# Altium PCB Copy of MCISO-P01-V05(mark review).PcbDoc (part 2 of 2)
Units mm, origin at the board's own origin, x right, y up, seen from the top; angles counter-clockwise.
Board outline 79.85 x 119.25 mm, 2 copper layers (Top Layer, Bottom Layer), stack 1.57 mm thick; 122 components, 80 nets, 453 pads, 35 vias.
Unrouted connection lines stored in the file: 1.
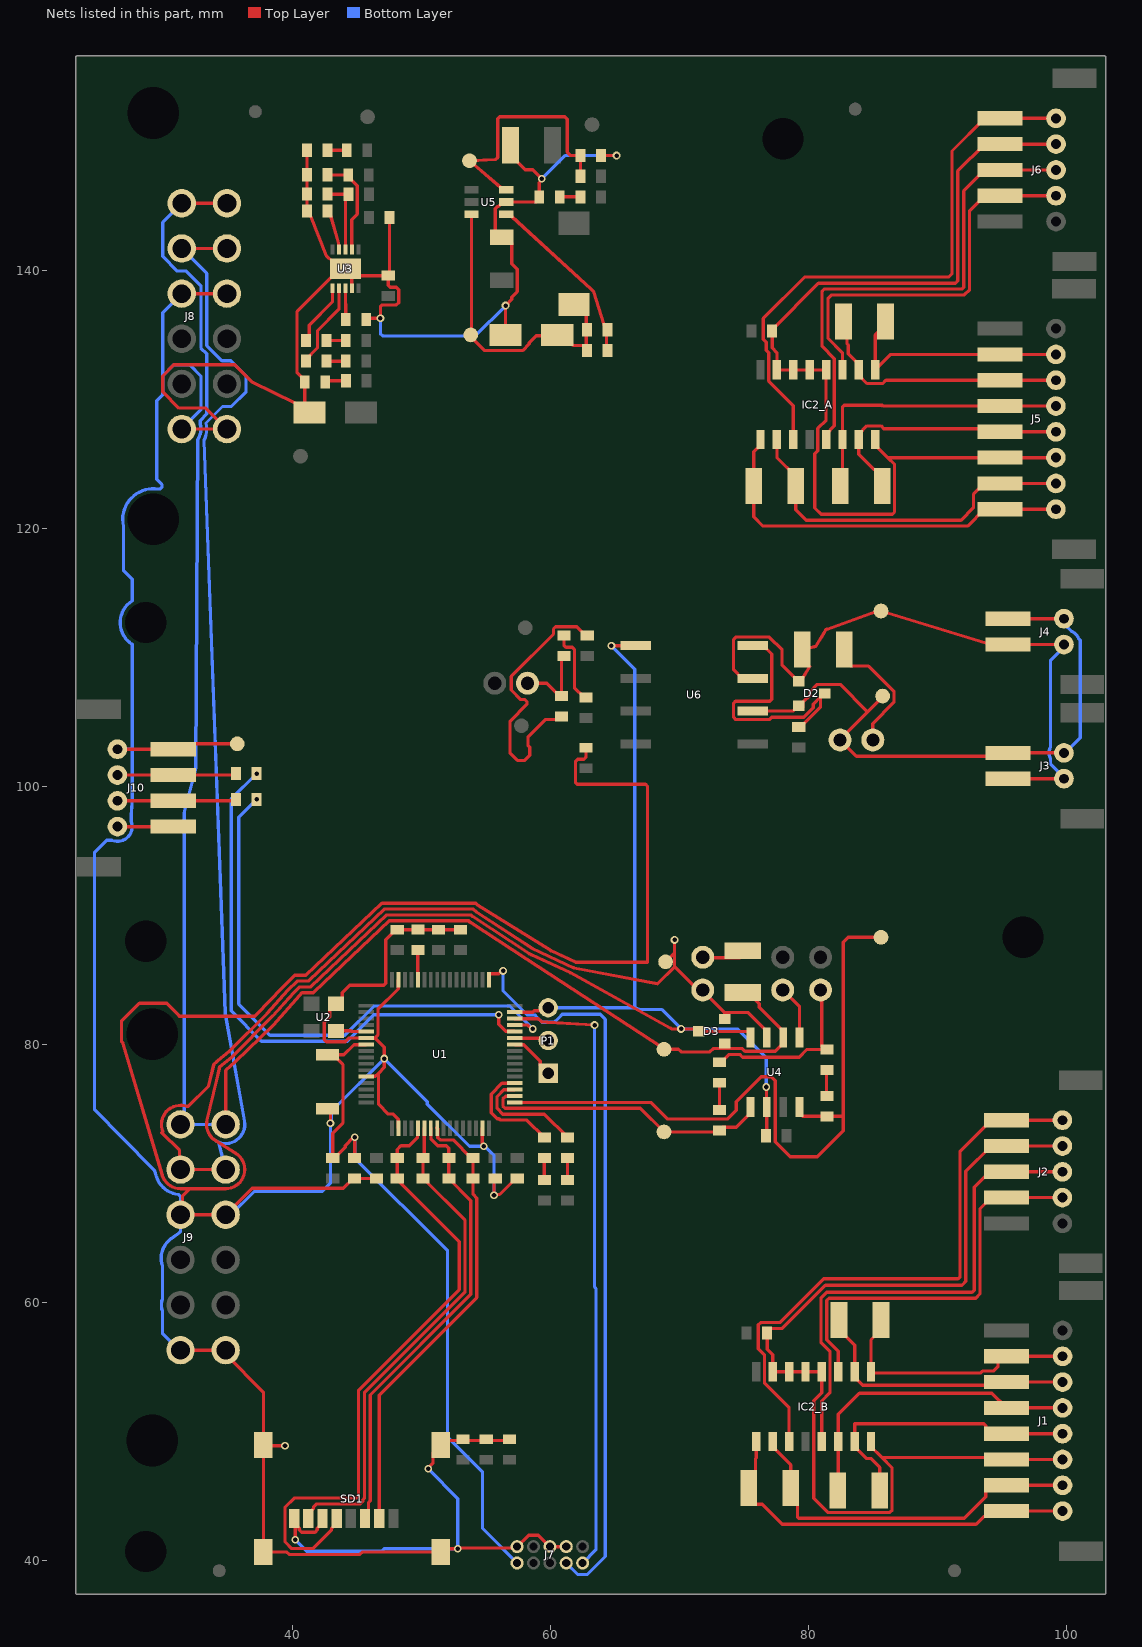
[diagram p2: the nets of this part, all layers, seen from the top]

## Via types
v1: diameter 0.6, hole 0.35, Top Layer to Bottom Layer, 35 vias

## Nets (pads, with @x,y where several pads share a name; then routed paths per layer and width w, separated by ;. In a path a pad name is that pad's centre, name@x,y a point inside that pad or via, vN(x,y) a via of type N, cw(c..) or ccw(c..) an arc to the next point about the centre after c; other vN are vias at no path point) (continued)
"CAN2 RX": R25.1 TP11.1 U1.33 U4.4 | length 55.6
  Top Layer w0.254: U1.33@57.2,75.5 67.742,75.5 69.015,74.227 73.714,74.227 74.382,74.895 74.382,75.561 76.321,77.5 77.1,77.5 77.412,77.188 77.412,72.46 78.57,71.302 80.662,71.302 82.676,73.317 82.676,74.4 ; U4.4@79.287,75.149 79.287,74.674 79.536,74.425 R25.1@81.409,74.425 82.651,74.425 82.676,74.4 ; TP11.1@85.6,88.3 83.053,88.3 82.676,87.924 82.676,74.4
"CAN2 TX": R24.1 TP9.1 U1.34 U4.1 | length 22.1
  Top Layer w0.254: U1.34@57.2,76 57.177,75.977 56.496,75.977 56.295,75.776 56.295,75.224 56.474,75.045 66.954,75.045 TP9.1@68.78,73.219 R24.1@72.973,73.219 ; R24.1@73.334,73.58 74.382,73.58 75.477,74.674 U4.1@75.477,75.149
"CAN H": D2.2 J3.1 J4.1 J12.1 TP4.1 U6.2 | length 49.5
  Top Layer w0.254: U6.2@75.65,105.84 78.762,105.84 79.068,106.146 79.526,106.146 79.548,106.168 79.548,106.526 80.099,107.077 80.099,107.358 80.649,107.908 82.443,107.908 84.511,105.84 ; TP4.1@85.725,107.003 85.725,106.953 84.561,105.79 82.425,103.653 J12.1@82.425,103.603 83.695,102.333 95.283,102.333 J3.1@95.55,102.6 ; J4.1@95.25,113 J4.1@99.579,113 ; J3.1@95.45,102.6 J3.1@99.779,102.6
  Bottom Layer w0.254: J3.1@99.879,102.6 101.037,103.758 101.037,111.342 101.006,111.373 100.963,111.416 100.93,111.449 ccw(c99.879,111) 100.328,112.051 99.879,112.5 99.879,112.605 J4.1@99.879,113
"CAN L": D2.1 J3.2 J4.2 R23.1 TP6.1 U6.3 | length 49.7
  Top Layer w0.254: U6.3@75.65,108.38 74.825,108.38 74.17,109.035 74.17,111.396 74.349,111.575 76.951,111.575 77.927,110.599 77.927,109.402 79.175,108.153 D2.1@79.225,108.153 79.235,108.162 79.548,108.426 R23.1@80.072,109.29 ; R23.1@79.5,110.603 80.433,110.832 80.535,110.857 80.577,110.925 81.167,111.898 81.317,112.144 81.402,112.175 85.247,113.545 85.515,113.64 TP6.1@85.6,113.6 93.727,111.123 J4.2@95.35,110.7 ; J4.2@95.25,111 J4.2@99.579,111 ; J3.2@95.45,100.6 J3.2@99.779,100.6
  Bottom Layer w0.254: J4.2@99.679,110.7 98.736,109.757 98.736,103.068 ccw(c99.779,102.6) 98.736,102.132 98.736,101.764 99.779,100.721 J3.2@99.779,100.6
"CAN LED": DS7.1 DS8.1 J11.2 | length 6.2
  Top Layer w0.254: J11.2@58.2,108 59.695,108 60.698,106.997 DS8.1@60.825,106.997 60.825,109.91 DS7.1@61.025,110.11
"CAN MAIN H": D3.2 J8.2 J8.8 J9.2 J9.8 J14.1 TP8.1 U4.7 | length 152
  Top Layer w0.254: J8.8@31.4,141.7 J8.2@34.9,141.7 ; J9.2@34.8,70.3 J9.8@31.3,70.3 31.225,70.375 31.225,71.781 29.853,73.153 29.928,73.228 29.928,73.243 cw(c31.3,73.8) 31.763,75.207 31.802,75.207 31.907,75.207 33.477,76.777 33.88,78.418 33.892,78.463 34.063,78.634 34.179,78.729 35.078,79.468 38.007,82.396 39.628,84.198 40.338,84.909 41.209,84.909 41.282,84.979 47.1,90.494 54.004,90.494 54.21,90.288 58.572,87.435 61.774,85.942 61.778,85.94 61.819,85.921 68.274,84.7 69.6,86.026 ; TP8.1@68.9,86.4 69.6,87.1 ; v1(69.6,88.1) 69.6,87.1 ; D3.2@73.48,81.969 73.486,81.975 73.486,82.473 ; U4.7@76.747,80.549 76.747,81.024 75.298,82.473 73.486,82.473 ; 69.6,86.026 71.155,84.471 71.488,84.471 73.486,82.473 ; 69.6,86.026 69.6,87.1
  Bottom Layer w0.254: J8.8@31.4,141.7 33.335,139.765 33.335,134.171 34.514,132.992 35.202,132.992 36.381,131.813 36.381,130.587 35.244,129.45 34.556,129.45 33.277,128.171 cw(c31.4,127.7) 33.127,126.828 34.775,82.404 36.258,74.059 cw(c34.8,73.8) 34.057,72.519 34.237,72.415 J9.2@34.8,70.3 ; J14.1@71.525,84.434 J14.1@71.78,84.179
"CAN MAIN L": D3.1 J8.1 J8.7 J9.1 J9.7 R26.1 TP10.1 U4.6 | length 142.2
  Top Layer w0.254: J8.7@31.4,145.2 J8.1@34.9,145.2 ; J9.1@34.8,73.8 34.8,77.982 35.535,78.641 38.48,81.496 40.536,83.808 40.536,83.822 40.714,84.001 41.585,84.001 41.658,84.071 47.466,89.579 47.557,89.58 49.066,89.586 50.334,89.586 53.634,89.579 53.734,89.479 58.109,86.626 68.687,79.712 TP10.1@68.78,79.619 69.901,79.619 70.101,79.419 72.34,79.419 72.601,79.68 74.84,79.68 75.051,79.47 77.412,79.47 78.017,80.074 U4.6@78.017,80.549 78.017,81.024 76.153,82.888 76.153,83.171 75.63,83.694 R26.1@74.88,83.694
  Bottom Layer w0.254: J9.7@31.3,73.8 J9.7@31.581,73.8 ; J8.7@31.4,145.2 29.919,143.719 29.919,141.087 31.056,139.95 31.744,139.95 32.881,138.813 32.881,133.983 33.335,133.529 33.335,128.872 32.823,128.359 32.823,128.171 32.823,128.111 cw(c31.4,127.7) 32.646,126.899 32.489,101.447 31.581,97.937 J9.7@31.581,73.8 ; J9.1@34.8,73.8 J9.7@31.581,73.8
"CAN MAIN LBK": J15.2 U4.5 | length 4.2
  Top Layer w0.254: J15.2@77.98,84.219 79.287,82.912 U4.5@79.287,80.549
"CAN MAIN LED": DS9.1 DS10.1 J13.2 | length 13.5
  Top Layer w0.254: DS9.1@73.08,78.612 73.207,78.612 73.82,79.226 74.652,79.226 74.862,79.016 79.259,79.016 79.849,79.606 81.253,79.606 80.999,79.86 80.999,84.1 J13.2@80.919,84.179
"CAN MAIN RX LED": DS10.2 R25.2 | length 2
  Top Layer w0.254: DS10.2@81.38,78.019 81.38,76.042 R25.2@81.409,76.012
"CAN MAIN TX LED": DS9.2 R24.2 | length 2.1
  Top Layer w0.254: R24.2@73.08,74.912 DS9.2@73.08,77.026
"CAN RX LED": DS8.2 R22.2 | length 21.9
  Top Layer w0.254: DS8.2@60.825,105.41 60.593,105.178 59.579,105.178 58.228,103.827 58.228,103.195 58.381,103.042 58.381,102.41 57.982,102.011 57.418,102.011 56.849,102.58 56.849,105.066 58.153,106.371 58.153,106.581 58.004,106.73 57.674,106.73 56.93,107.474 56.93,108.526 60.212,111.808 60.212,112.204 60.391,112.383 60.685,112.383 62.012,112.383 62.698,111.697 R22.2@62.825,111.697
"CAN TX LED": DS7.2 R21.2 | length 5.9
  Top Layer w0.254: DS7.2@61.025,111.697 61.025,110.945 61.174,110.796 61.659,110.796 61.838,110.617 61.838,107.657 62.598,106.897 R21.2@62.725,106.897
CLMODE: R15.2 U3.4 | length 3.3
  Top Layer w0.254: R15.2@42.693,144.473 R15.2@42.693,144.6 42.947,144.219 43.538,142.115 43.56,141.861 U3.4@43.583,141.613
FLAG: DS4.2 U3.6 | length 4.9
  Top Layer w0.254: DS4.2@41.018,134.562 41.018,134.689 41.272,134.943 41.272,135.749 43.083,137.56 U3.6@43.083,138.613
GND: C1.1 C2.1 C3.1 C4.1 C5.1 C6.1 C7.1 C8.1 C9.1 C10.1 C11.1 C12.1 C14.1 C15.1 C18.2 C19.1 D1.A D3.3 D4.A DS5.2 DS6.2 DS11.2 J7.3 J7.5 J7.9 J8.3 J8.6 J8.9 J8.12 J9.3 J9.6 J9.9 J9.12 J10.4 P1.3 R1.1 R15.1 R16.1 R17.1 R18.1 R29.1 SD1.6 SD1.8 SD1.9 SD1.10 SD1.11 SD1.12 SW1.1 TP3.1 U1.6 U1.12 U1.18 U1.31 U1.47 U1.63 U2.2 U3.9 U3.11 U4.2 U4.8 U5.2 U6.5 | length 598.1
  Top Layer w0.254: J10.4@26.408,102.883 J10.4@30.737,102.883 31.153,103.3 TP3.1@35.7,103.3 ; J9.12@31.3,56.3 J9.6@34.8,56.3 34.8,55.967 37.725,53.042 SD1.10@37.725,49.225 ; J9.9@31.3,66.8 J9.3@34.8,66.8 36.859,68.859 43.925,68.859 44.673,69.607 C7.1@44.8,69.607 C6.1@46.5,69.607 ; J8.12@31.4,127.7 J8.6@34.9,127.7 33.271,129.329 31.176,129.329 29.919,130.587 29.919,131.813 30.787,132.681 35.513,132.681 36.835,131.359 40.177,129.723 D1.A@41.3,129 40.928,129.372 DS6.2@40.928,131.349 40.928,131.476 40.332,132.071 40.332,136.818 42.954,139.44 43.61,139.44 U3.11@44.183,140.013 ; J8.9@31.4,138.2 J8.3@34.9,138.2 ; J9.9@31.462,66.962 31.462,68.281 32,68.819 ; v1(39.4,48.9) 37.775,48.9 SD1.10@37.725,48.95 SD1.9@37.725,40.65 39.545,40.65 39.73,40.465 45.211,40.465 45.396,40.65 SD1.12@51.475,40.65 51.725,40.9 v1(52.8,40.9) 52.866,40.966 57.286,40.966 58.279,41.959 59.041,41.959 J7.5@59.93,41.07 J7.3@61.2,41.07 ; v1(40.2,41.6) 40.2,43.155 SD1.8@40.105,43.25 40.105,42.89 40.115,42.89 40.5,42.505 40.5,42.374 40.679,42.195 41.731,42.195 41.91,42.374 41.91,42.505 42.305,42.9 SD1.6@42.305,43.25 ; DS5.2@41.097,149.313 R16.1@41.097,147.413 R17.1@41.097,145.913 41.097,144.61 41.104,144.598 41.107,144.595 41.361,144.219 42.629,141.112 42.807,140.934 43.01,140.786 U3.11@44.083,140.113 ; SW1.1@42.7,75 42.921,74.779 v1(42.921,73.897) ; U3.9@44.583,138.613 44.583,139.613 44.603,139.593 C11.1@47.4,139.593 ; R18.1@45.693,136.2 45.793,136.3 v1(46.8,136.3) 46.8,137.172 46.949,137.321 48.034,137.321 48.213,137.499 48.213,138.514 48.034,138.692 47.549,138.692 47.4,138.841 C11.1@47.4,139.593 ; U1.12@45.7,77.5 45.723,77.523 46.404,77.523 46.652,77.771 ; C12.1@47.493,144.1 47.493,139.687 C11.1@47.4,139.593 ; U1.18@48.2,73.5 48.177,73.523 48.177,74.204 47.781,74.6 47.405,74.6 46.652,75.353 46.652,77.771 ; U1.63@48.2,85 48.177,84.977 48.177,84.296 46.605,82.724 46.605,80.724 46.404,80.523 46.404,80.477 ; v1(50.5,47.1) 50.5,47.194 50.877,47.571 50.877,48.352 51.818,49.293 53.2,49.293 55,49.293 56.7,49.293 C9.1@56.8,49.393 ; C2.1@53,88.893 C4.1@51.3,88.893 49.7,88.893 C5.1@48.1,88.893 47.973,88.893 47.2,88.12 47.2,84.73 47.051,84.581 44.418,84.581 43.833,83.996 43.833,83.569 43.414,83.15 43.287,83.15 42.867,82.731 42.867,82.154 42.436,81.722 42.436,80.378 42.614,80.199 44.086,80.199 44.387,80.5 U1.6@45.7,80.5 45.723,80.477 46.404,80.477 ; U1.31@54.7,73.5 54.7,72.294 54.8,72.194 v1(54.8,72.1) ; v1(55.6,68.3) v1@55.7,68.4 ; C3.1@55.7,69.607 55.6,69.507 55.6,68.46 55.66,68.4 v1@55.7,68.4 ; D4.A@56.5,135 v1(56.5,137.272) 56.982,137.754 56.982,137.934 57.406,138.359 57.406,140.088 56.975,140.519 56.975,142.109 56.505,142.578 C18.2@56.2,142.578 56.165,142.578 55.695,143.048 55.695,144.776 55.874,144.955 55.955,144.955 56.3,145.3 58.834,145.3 59.107,145.573 59.107,146.813 59.3,147.006 v1(59.3,147.1) 58.603,147.797 58.028,147.797 57.398,148.427 C19.1@56.875,149.7 ; U1.47@57.2,82.5 58.615,82.5 58.716,82.602 59.562,82.602 P1.3@59.8,82.84 ; C1.1@57.4,69.607 57.273,69.607 56.033,68.366 55.734,68.366 v1@55.7,68.4 ; C14.1@62.725,102.997 62.725,102.245 62.576,102.096 62.091,102.096 61.912,101.917 61.912,100.326 62.061,100.177 67.351,100.177 67.5,100.028 67.5,86.4 67.475,86.375 61.919,86.375 60.003,87.269 54.34,90.8 54.192,90.948 46.912,90.948 41.021,85.363 40.15,85.363 39.174,84.387 37.205,82.342 37.058,82.194 31.21,82.194 31.21,82.21 30.239,83.181 28.114,83.181 26.719,81.786 26.719,80.222 26.772,80.169 26.817,80.121 26.835,80.062 29.882,69.873 ccw(c31.3,70.3) 31.3,68.819 32,68.819 ; R29.1@63.893,148.9 v1(65.1,148.9) ; v1(64.7,110.9) 64.71,110.91 66.59,110.91 U6.5@66.6,110.92 ; U4.8@75.477,80.549 75.477,80.83 75.378,80.929 75.304,81.003 71.803,81.003 D3.3@71.48,81.019 71.299,81.2 v1(70.1,81.2) 69.455,81.2 69.39,81.2 69.292,81.254 61.511,85.563 58.469,86.96 58.373,87.004 58.338,87.027 53.922,89.933 53.903,89.952 53.816,90.04 47.284,90.04 41.397,84.455 40.526,84.455 40.082,84.01 40.082,83.996 38.461,82.208 35.266,79.014 34.346,78.275 34.087,77.192 33.36,74.146 33.358,74.139 ccw(c34.8,73.8) 34.01,72.547 35.589,71.553 cw(c34.8,70.3) 34.8,68.819 32,68.819 ; v1(76.7,76.7) 76.723,76.677 76.723,75.173 U4.2@76.747,75.149 C15.1@76.747,72.979 ; 46.404,80.477 47.1,79.781 47.1,78.219 46.652,77.771
  Bottom Layer w0.254: J10.4@26.408,102.883 27.551,102.9 ; J9.12@31.253,56.253 29.974,57.531 29.9,57.606 29.9,59.317 cw(c31.3,59.8) 29.9,60.283 29.9,62.817 cw(c31.672,63.428) 30.589,64.958 30.919,65.192 31.21,65.398 31.3,65.488 J9.9@31.3,66.8 31.3,68.2 31.19,68.31 31.127,68.373 cw(c31.3,70.3) 29.452,69.728 29.309,70.191 29.271,70.229 29.262,70.238 29.114,70.386 24.625,74.98 24.625,94.867 25.578,95.82 25.683,95.82 25.989,95.82 ccw(c26.408,96.883) 27.471,97.302 27.471,97.713 27.548,98.803 ccw(c26.408,98.883) 27.551,98.883 27.551,102.9 ; J8.12@31.4,127.7 32.881,129.181 32.881,131.813 32.013,132.681 30.787,132.681 29.919,131.813 ; J8.9@31.4,138.2 29.919,136.719 29.919,131.813 ; J9.3@34.8,66.8 35.2,66.8 37,68.6 42.3,68.6 42.921,69.221 v1(42.921,73.897) ; v1(40.2,41.6) 41.095,40.705 46.894,40.705 47.089,40.9 v1(52.8,40.9) 52.8,44.8 v1(50.5,47.1) ; v1@43,73.8 42.988,73.812 42.988,74.056 43,74.069 43,74.8 v1(47.1,78.9) 50.433,75.567 50.433,75.367 53.7,72.1 v1(54.8,72.1) 54.894,72.1 55.319,71.675 55.325,71.675 55.6,71.4 v1(55.6,68.3) ; v1(46.8,136.3) 46.8,135.093 46.974,134.919 54.147,134.919 v1(56.5,137.272) ; v1(59.3,147.1) 61.1,148.9 v1(65.1,148.9) ; P1.3@59.8,82.84 66.515,82.84 ; v1(64.7,110.9) 66.515,109.085 66.515,82.84 ; v1(76.7,76.7) 76.7,78.956 74.456,81.2 v1(70.1,81.2) 68.59,82.71 66.905,82.71 66.815,82.726 66.515,82.84 ; 27.551,102.9 27.551,111.02 cw(c28.6,112.7) 27.551,114.38 27.551,116.074 26.877,116.747 26.877,120.149 26.877,120.176 cw(c29.2,120.7) 29.584,123.05 29.604,123.05 29.709,123.05 29.784,123.124 29.858,123.199 29.858,123.304 29.858,123.409 29.54,123.727 29.465,123.802 29.465,129.907 29.919,130.361 29.919,131.813
"GND INV_A": C20_A.1 IC2_A.8 IC2_A.12 IC2_A.13 IC2_A.14 IC2_A.15 J5.6 J6.2 | length 76.8
  Top Layer w0.254: IC2_A.8@85.153,126.887 85.153,126.462 86.128,125.487 ; J5.6@99.156,125.487 J5.6@94.816,125.487 86.128,125.487 ; J6.2@99.166,149.787 J6.2@94.837,149.787 93.637,149.787 91.558,147.708 91.558,139.187 91.374,139.003 80.749,139.003 77.159,135.414 C20_A.1@77.159,135.287 77.159,134.001 77.533,133.628 IC2_A.15@77.533,132.287 IC2_A.14@78.803,132.287 IC2_A.13@80.073,132.287 IC2_A.12@81.343,132.287 81.343,128.393 80.702,127.753 80.702,126.01 80.471,125.779 80.471,121.581 80.966,121.087 86.466,121.087 86.646,121.267 86.646,124.968 86.128,125.487
"GND INV_B": C20_B.1 IC2_B.8 IC2_B.12 IC2_B.13 IC2_B.14 IC2_B.15 J1.6 J2.2 | length 77.7
  Top Layer w0.254: IC2_B.8@84.824,49.225 84.824,48.8 85.642,47.983 ; J2.2@99.658,72.125 J2.2@95.329,72.125 94.129,72.125 92.179,70.175 92.179,61.625 91.879,61.325 81.289,61.325 77.948,57.984 77.027,57.984 76.773,57.73 76.773,56.369 77.204,55.938 IC2_B.15@77.204,54.625 IC2_B.14@78.474,54.625 IC2_B.13@79.744,54.625 IC2_B.12@81.014,54.625 81.014,53.002 80.384,52.372 80.384,44.814 81.478,43.721 86.281,43.721 86.459,43.899 86.459,47.165 85.642,47.983 ; J1.6@99.679,47.825 J1.6@95.339,47.825 95.182,47.983 85.642,47.983
"GND ISO": C13.1 D2.3 U6.4 | length 20.7
  Top Layer w0.254: U6.4@75.65,110.92 76.475,110.92 77.13,110.265 77.13,106.749 76.981,106.6 74.319,106.6 74.17,106.451 74.17,105.364 74.349,105.185 76.951,105.185 77.125,105.359 79.612,105.359 80.352,106.099 80.352,106.38 D2.3@80.902,106.93 ; C13.1@79.225,104.597 79.352,104.597 80.902,106.147 D2.3@80.902,106.93 ; D2.3@81.225,107.203 81.175,107.203 D2.3@80.902,106.93
H1_A: IC2_A.3 J6.1 | length 45.1
  Top Layer w0.254: IC2_A.3@78.803,126.887 78.803,129.511 76.892,131.421 76.892,133.626 76.705,133.813 76.705,134.421 76.473,134.652 76.473,136.279 79.681,139.487 90.866,139.487 91.104,139.725 91.104,149.254 93.637,151.787 J6.1@94.837,151.787 J6.1@99.166,151.787
H1_B: IC2_B.3 J2.1 | length 45.9
  Top Layer w0.254: IC2_B.3@78.474,49.225 78.474,51.849 76.564,53.76 76.564,55.936 76.087,56.413 76.087,58.26 76.265,58.438 77.759,58.438 81.147,61.825 91.576,61.825 91.725,61.974 91.725,71.721 94.129,74.125 J2.1@95.329,74.125 J2.1@99.658,74.125
H2_A: IC2_A.5 J6.3 | length 38.6
  Top Layer w0.254: IC2_A.5@81.343,126.887 81.343,127.312 81.972,127.941 81.972,133.163 81.032,134.104 81.032,138.4 81.18,138.549 91.863,138.549 92.012,138.698 92.012,146.162 93.637,147.787 J6.3@94.837,147.787 J6.3@99.166,147.787
H2_B: IC2_B.5 J2.3 | length 39.1
  Top Layer w0.254: IC2_B.5@81.014,49.225 81.014,52.36 81.644,52.99 81.644,56.212 80.945,56.911 80.945,57.608 80.945,60.34 81.39,60.784 92.656,60.784 92.82,60.949 92.82,68.932 93.591,69.702 94.906,69.702 J2.3@95.329,70.125 J2.3@99.658,70.125
H3_A: IC2_A.11 J6.4 | length 30.6
  Top Layer w0.254: IC2_A.11@82.613,132.287 82.613,133.634 81.486,134.76 81.486,137.813 81.768,138.095 92.051,138.095 92.466,138.51 92.466,144.616 93.637,145.787 J6.4@94.837,145.787 J6.4@99.166,145.787
H3_B: IC2_B.11 J2.4 | length 31.3
  Top Layer w0.254: IC2_B.11@82.284,54.625 82.284,56.214 81.399,57.099 81.399,57.42 81.399,60.152 81.578,60.33 92.949,60.33 93.274,60.656 93.274,67.271 94.129,68.125 J2.4@99.658,68.125
"HALL 1A_A": IC2_A.2 J5.7 R30_A.1 | length 28.3
  Top Layer w0.254: IC2_A.2@77.533,126.887 77.533,125.495 78.991,124.037 R30_A.1@78.991,123.287 78.991,121.435 79.794,120.633 91.804,120.633 92.761,121.59 92.761,122.632 93.616,123.487 J5.7@94.816,123.487 J5.7@99.156,123.487
"HALL 1A_B": IC2_B.2 J1.7 R30_B.1 | length 28.6
  Top Layer w0.254: IC2_B.2@77.204,49.225 77.204,48.8 77.402,48.602 77.409,48.602 78.605,47.406 R30_B.1@78.605,45.625 79.128,45.102 79.128,43.352 79.213,43.267 86.469,43.267 92.049,43.267 93.716,44.934 93.716,45.402 94.139,45.825 J1.7@95.339,45.825 J1.7@99.679,45.825
"HALL 1B_A": IC2_A.1 J5.8 R30_A.2 | length 30.5
  Top Layer w0.254: IC2_A.1@76.263,126.887 76.263,126.462 75.741,125.94 R30_A.2@75.741,123.287 75.741,120.889 76.451,120.179 92.308,120.179 93.616,121.487 J5.8@99.156,121.487
"HALL 1B_B": IC2_B.1 J1.8 R30_B.2 | length 29
  Top Layer w0.254: IC2_B.1@75.934,49.225 75.934,47.956 75.877,47.898 75.877,46.148 R30_B.2@75.354,45.625 75.354,44.875 75.877,44.352 76.397,44.352 77.936,42.813 92.969,42.813 93.558,43.402 93.716,43.402 J1.8@94.177,43.863 ; J1.8@95.339,43.825 J1.8@99.679,43.825
"HALL 2A_A": IC2_A.6 J5.4 R31_A.1 | length 22.8
  Top Layer w0.254: R31_A.1@82.441,123.287 82.613,123.459 IC2_A.6@82.613,126.887 82.613,129.388 82.761,129.537 85.698,129.537 85.748,129.487 J5.4@94.816,129.487 J5.4@99.156,129.487
"HALL 2A_B": IC2_B.6 J1.4 R31_B.1 | length 24.5
  Top Layer w0.254: R31_B.1@82.254,45.425 82.284,45.456 IC2_B.6@82.284,49.225 82.284,51.33 83.924,52.971 94.194,52.971 J1.4@95.339,51.825 J1.4@99.679,51.825
"HALL 2B_A": IC2_A.7 J5.5 R31_A.2 | length 20.5
  Top Layer w0.254: R31_A.2@85.691,123.287 85.691,124.037 85.168,124.56 85.079,124.56 83.883,125.756 83.883,127.312 84.512,127.941 85.604,127.941 85.822,127.723 94.58,127.723 J5.5@94.816,127.487 J5.5@99.156,127.487
"HALL 2B_B": IC2_B.7 J1.5 R31_B.2 | length 22.7
  Top Layer w0.254: R31_B.2@85.505,45.425 85.505,47.206 84.807,47.904 84.45,47.904 83.554,48.8 IC2_B.7@83.554,49.225 83.554,50.592 93.567,50.592 93.716,50.443 93.716,50.248 94.139,49.825 J1.5@99.679,49.825
"HALL 3A_A": IC2_A.10 J5.3 R32_A.1 | length 20.7
  Top Layer w0.254: R32_A.1@82.441,136.287 82.964,135.764 82.964,134.322 83.067,134.219 83.067,133.528 83.883,132.712 IC2_A.10@83.883,132.287 83.883,131.862 84.512,131.232 85.728,131.232 85.982,131.487 J5.3@94.816,131.487 J5.3@99.156,131.487
"HALL 3A_B": IC2_B.10 J1.3 R32_B.1 | length 21.4
  Top Layer w0.254: R32_B.1@82.354,58.625 82.354,57.875 83.554,56.675 IC2_B.10@83.554,54.625 83.554,54.2 84.184,53.571 95.084,53.571 J1.3@95.339,53.825 J1.3@99.679,53.825
"HALL 3B_A": IC2_A.9 J5.2 R32_A.2 | length 18.7
  Top Layer w0.254: R32_A.2@85.691,136.287 85.691,135.537 85.153,134.998 IC2_A.9@85.153,132.287 86.352,133.487 J5.2@94.816,133.487 J5.2@99.156,133.487
"HALL 3B_B": IC2_B.9 J1.2 R32_B.2 | length 20
  Top Layer w0.254: R32_B.2@85.605,58.625 85.605,57.875 84.824,57.095 IC2_B.9@84.824,54.625 84.924,54.525 93.308,54.525 93.463,54.68 94.309,54.68 94.672,55.043 94.672,55.402 95.095,55.825 J1.2@99.679,55.825
NetDS1_1: DS1.1 R3.1 | length 1.7
  Top Layer w0.254: R3.1@61.3,69.499 DS1.1@61.3,71.207
NetDS2_1: DS2.1 R4.1 | length 1.7
  Top Layer w0.254: R4.1@59.5,69.499 DS2.1@59.5,71.207
NetDS3_1: DS3.1 R9.1 | length 1.5
  Top Layer w0.254: DS3.1@42.605,132.962 R9.1@44.111,132.962
NetDS4_1: DS4.1 R10.1 | length 1.5
  Top Layer w0.254: DS4.1@42.604,134.562 R10.1@44.111,134.562
NetDS5_1: DS5.1 R11.1 | length 1.5
  Top Layer w0.254: DS5.1@42.683,149.313 R11.1@44.19,149.313
NetDS6_1: DS6.1 R14.1 | length 1.7
  Top Layer w0.254: DS6.1@42.514,131.349 42.614,131.449 R14.1@44.128,131.449
NetDS11_1: DS11.1 R28.1 | length 1.6
  Top Layer w0.254: DS11.1@60.693,145.7 R28.1@62.307,145.7
NetJ10_2: J10.2 R19.1 | length 9.2
  Top Layer w0.254: J10.2@26.408,98.883 J10.2@30.737,98.883 35.49,98.883 R19.1@35.607,99
NetJ10_3: J10.3 R20.1 | length 9.3
  Top Layer w0.254: J10.3@26.408,100.883 J10.3@30.737,100.883 35.497,100.883 R20.1@35.613,101
NetJ12_2: J12.2 R23.2 | length 10.1
  Top Layer w0.254: R23.2@82.751,110.603 82.751,109.853 83.274,109.33 84.637,109.33 86.601,107.366 86.601,106.509 84.966,104.873 J12.2@84.965,103.603
NetJ14_2: J14.2 R26.2 | length 3.2
  Top Layer w0.254: J14.2@71.78,86.719 74.654,86.719 R26.2@74.88,86.944
NetR1_2: R1.2 U1.60 | length 2.3
  Top Layer w0.254: U1.60@49.7,85 R1.2@49.7,87.313
NRST: C7.2 J7.10 R2.1 SW1.2 U1.7 | length 54.4
  Top Layer w0.254: SW1.2@42.7,79.2 SW1.2@43.145,79.2 ; C7.2@44.8,71.193 v1(44.8,72.8) 44.707,72.8 44.061,72.154 44.061,72.027 43.227,71.193 R2.1@43.1,71.193 43.1,73.112 43.894,73.906 43.894,78.451 SW1.2@43.145,79.2 ; U1.7@45.7,80 45.677,79.977 44.747,79.977 43.97,79.2 SW1.2@43.145,79.2 ; J7.10@57.256,39.666 J7.10@57.39,39.8
  Bottom Layer w0.254: v1(44.8,72.8) 44.8,71.193 51.998,63.995 51.998,49.565 54.714,46.849 54.714,42.476 J7.10@57.39,39.8
"ORANGE LED 1": DS1.2 U1.35 | length 8.9
  Top Layer w0.254: U1.35@57.2,76.5 57.177,76.477 56.354,76.477 55.841,75.964 55.841,75.036 56.286,74.591 59.502,74.591 DS1.2@61.3,72.793
"ORANGE LED 2": DS2.2 U1.36 | length 8.5
  Top Layer w0.254: U1.36@57.2,77 57.184,76.984 56.219,76.984 55.387,76.152 55.387,74.713 55.856,74.244 55.991,74.244 56.098,74.137 58.156,74.137 DS2.2@59.5,72.793
"OSC IN": U1.5 U2.3 | length 2.4
  Top Layer w0.254: U2.3@43.35,81.05 44.516,81.05 44.566,81 U1.5@45.7,81
OVLO: R13.1 R17.2 U3.3 | length 6
  Top Layer w0.254: R17.2@42.683,145.913 42.696,145.9 R13.1@44.32,145.9 44.083,145.664 U3.3@44.083,141.613
"PWR CB 3V3": C16.1 C17.1 U5.1 | length 13.8
  Top Layer w0.254: U5.1@56.55,144.35 56.973,144.177 63.126,138.555 63.305,138.376 64.139,135.781 64.316,135.367 64.33,135.336 64.33,133.864 C17.1@64.393,133.8
"PWR FB 3V3": R27.1 R29.2 TP14.1 U5.3 | length 20
  Top Layer w0.254: U5.3@56.377,146.423 U5.3@56.55,146.25 56.127,146.423 TP14.1@53.7,148.5 55.751,148.6 55.9,148.749 55.9,151.751 56.049,151.9 61.1,151.9 61.273,151.727 61.273,149.171 61.545,148.9 R29.2@62.307,148.9 R27.1@62.307,147.3
"PWR SW 3V3": C16.2 C17.2 D4.K L1.1 TP13.1 U5.6 | length 24.1
  Top Layer w0.254: U5.6@53.85,144.35 53.85,135.05 TP13.1@53.8,135 53.8,134.873 54.891,133.782 57.813,133.782 58.341,134.31 58.341,134.409 58.869,134.937 60.437,134.937 D4.K@60.5,135 60.9,135 61.719,134.181 62.553,134.181 62.807,133.927 C17.2@62.807,133.8 ; L1.1@61.8,137.35 61.97,137.35 62.743,136.577 62.743,135.464 C16.2@62.807,135.4 62.743,135.336 C17.2@62.743,133.864
"SD CS": R5.1 R5.2 SD1.2 U1.24 | length 35.4
  Top Layer w0.254: SD1.2@46.705,43.25 46.705,52.823 54.262,60.38 54.262,68.087 53.98,68.369 R5.2@53.98,69.607 R5.1@53.98,71.193 53.853,71.193 52.451,72.595 51.424,72.595 51.245,72.774 51.245,73.455 U1.24@51.155,73.545
"SD DI": R6.1 R6.2 SD1.3 U1.23 | length 35.3
  Top Layer w0.254: SD1.3@45.605,43.25 45.878,43.523 45.878,44.494 46.008,44.624 46.008,52.824 53.808,60.624 53.808,67.899 R6.2@52.1,69.607 R6.1@52.1,71.193 52.1,71.955 51.914,72.141 51.236,72.141 50.723,72.654 50.723,73.027 50.7,73.05 U1.23@50.7,73.5
"SD DO": R8.1 R8.2 SD1.7 U1.22 | length 38.7
  Top Layer w0.254: SD1.7@41.205,43.25 41.205,43.6 41.6,43.995 41.6,44.126 41.856,44.382 45.238,44.382 45.424,44.568 45.424,44.682 45.554,44.812 45.554,53.012 53.354,60.812 53.354,66.353 R8.1@50.1,69.607 R8.2@50.1,71.193 50.2,71.293 U1.22@50.2,73.5
"SD SCLK": R7.1 R7.2 SD1.5 U1.21 | length 49
  Top Layer w0.254: SD1.5@43.405,43.25 43.405,42.9 43.01,42.505 43.01,42.374 41.555,40.919 39.918,40.919 39.4,41.437 39.4,44.126 40.11,44.836 44.936,44.836 45.1,45 45.1,53.2 52.9,61 52.9,64.707 48.1,69.507 48.1,71.093 48.1,71.855 48.386,72.141 49.022,72.141 49.677,72.796 49.677,73.477 U1.21@49.7,73.5
SETI: R18.2 U3.8 | length 2.4
  Top Layer w0.254: U3.8@44.083,138.613 44.091,138.605 44.091,137.415 44.107,137.4 R18.2@44.107,136.2
SWCLK: J7.4 U1.49 | length 58.2
  Top Layer w0.254: U1.49@55.2,85 55.2,85.45 55.223,85.473 55.979,85.473 56.206,85.7 v1(56.3,85.7)
  Bottom Layer w0.254: v1(56.3,85.7) 56.3,84.142 58.161,82.281 58.817,82.281 58.817,82.224 59,82.04 59.332,81.709 59.8,81.709 60.268,81.709 60.6,82.04 60.892,82.332 63.833,82.332 64.232,81.933 64.232,40.305 62.838,38.911 62.089,38.911 J7.4@61.2,39.8
SWDIO: J7.2 U1.46 | length 48.5
  Top Layer w0.254: U1.46@57.2,82 59.041,82 59.298,81.742 59.718,81.712 ccw(c59.8,82.84) 59.734,81.711 v1(63.397,81.497)
  Bottom Layer w0.254: J7.2@62.47,39.8 63.5,40.83 63.5,61.088 63.397,61.191 v1(63.397,81.497)
"USART 1_RX": P1.2 U1.43 | length 2.7
  Top Layer w0.254: U1.43@57.2,80.5 57.223,80.477 59.623,80.477 P1.2@59.8,80.3
"USART 1_TX": P1.1 U1.42 | length 3.7
  Top Layer w0.254: U1.42@57.2,80 57.223,79.977 57.904,79.977 59.177,78.704 59.177,78.383 P1.1@59.8,77.76
"USB DM": R20.2 U1.44 | length 44
  Top Layer w0.254: v1(55.959,82.296) 55.959,81.56 56.496,81.023 57.177,81.023 U1.44@57.2,81
  Bottom Layer w0.254: v1(37.2,101) 35.229,99.029 35.229,82.592 37.572,80.249 44.223,80.249 46.269,82.296 v1(55.959,82.296)
"USB DP": R19.2 U1.45 | length 43.4
  Top Layer w0.254: U1.45@57.2,81.5 58.206,81.5 58.506,81.2 v1(58.6,81.2)
  Bottom Layer w0.254: v1(37.193,99) 35.81,97.616 35.81,83.126 38.232,80.703 44.034,80.703 46.308,82.977 56.823,82.977 v1(58.6,81.2)
UVLO: R12.1 R16.2 U3.2 | length 7.9
  Top Layer w0.254: R16.2@42.683,147.413 42.696,147.4 R12.1@44.307,147.4 44.307,147.273 45.006,146.574 45.006,144.366 44.583,143.943 U3.2@44.583,141.613
UVOV: DS3.2 U3.7 | length 6.7
  Top Layer w0.254: DS3.2@41.018,132.962 41.018,133.089 41.919,133.99 41.919,134.709 41.919,135.332 43.583,136.997 U3.7@43.583,138.613
VUSB: J10.1 | length 4.3
  Top Layer w0.254: J10.1@26.408,96.883 J10.1@30.737,96.883
pads on no net: FID1.1 FID2.1 FID3.1 FID4.1 IC2_A.4 IC2_B.4 J1.M J2.M J3.M J4.M J5.M J6.M J7.6 J7.7 J7.8 J8.NC J9.NC J10.M M1.1 M2.1 M3.1 M4.1 M5.1 U1.2 U1.3 U1.4 U1.8 U1.9 U1.10 U1.11 U1.14 U1.15 U1.16 U1.17 U1.20 U1.25 U1.26 U1.27 U1.28 U1.29 U1.30 U1.37 U1.38 U1.39 U1.40 U1.41 U1.50 U1.51 U1.52 U1.53 U1.54 U1.55 U1.56 U1.59 U1.61 U1.62 U3.5

## Polygon pours and split planes (outlines as drawn)
no net on Top Solder "NONET_L01_P006" (solid, pour order 6): 103,79 90,79 90,63 73.8,63 73.8,37.373 66.6,37.373 66.6,69.4 83.6,69.4 83.6,85.4 102,85.4 103,85.4
no net on Top Solder (solid, pour order 10): 103,95.6 103,96.3 102.7,96.3 74.2,96.3 74.2,117 74.2,157 67.8,157 67.8,146.4 67.8,93.3 67.8,91 67.8,90.7 103,90.7
no net on Bottom Solder "NONET_L01_P007" (solid, pour order 7): 103,79 90,79 90,63 73.8,63 73.8,37.373 66.6,37.373 66.6,69.4 83.6,69.4 83.6,85.4 102,85.4 103,85.4
no net on Bottom Solder (solid, pour order 11): 103,95.6 103,96.3 102.7,96.3 74.2,96.3 74.2,117 74.2,157 67.8,157 67.8,146.4 67.8,93.3 67.8,91 67.8,90.7 103,90.7

## Silkscreen, mask and mechanical layers (free items; w line width, h text height)
Top Overlay:
  lines w0.254: 23.65,155.35 49.6,155.35 ; 23.7,117.55 49.6,117.55 49.6,155.3 ; 40.2,64.4 63,64.4 63,91.8 40.2,91.8 40.2,64.4 ; 50.1,128.1 67.7,128.1 67.7,155.2 50.1,155.2 50.1,128.1 ; 52.6,96.3 103,96.3 103,116.8 52.6,116.8 52.6,96.3 ; 74.2,117 102.9,117 102.9,156.8 74.2,156.8 74.2,117
  text "12V" at 44.1,152.2 h1.54 r45
  text "3V3" at 64.397,151.314 h1.54
  text "PWR FB 3V3" at 52.286,144.1 h1.54 r90
  text "PWR SW 3V3" at 52.486,131.9 h1.54 r90
  text "3V3   CONVERTER" at 51.5,128.726 h2
  text "12VP" at 41.1,123 h1.54 r45
  text "12V   PROTECTION" at 36.202,118.42 h2
  text "HALL A" at 74.702,117.4 h2
  text "CAN L" at 83.578,113.497 h1.54 r45
  text "CAN1 TX" at 55.178,111.497 h1.54 r45
  text "CAN H" at 83.678,106.997 h1.54 r45
  text "GND" at 37.682,103.101 h1.54 r45
  text "CAN1 RX" at 54.878,98.697 h1.54 r45
  text "CAN   ISOLATION" at 78.802,96.721 h2
  text "CAN2 RX" at 85.978,85.597 h1.54 r45
  text "CAN MAIN H" at 65.178,84.797 h1.54 r45
  text "CAN MAIN L" at 64.178,77.097 h1.54 r45
  text "CAN2 TX" at 64.978,71.797 h1.54 r45
  text "MCU   PROCESSING" at 40.502,64.821 h2
  text "HALL A" at 74.602,38.6 h2

## Text inside footprints (layer, text, board x,y; h text height)
J1: Top Overlay "1" at 98.716,59.173 h1.02 r270; Top Overlay "8" at 98.491,43.173 h1.02 r270; Top Overlay "PH x8 SMD" at 102.364,45.499 h1.02 r90
J2: Top Overlay "5" at 93.106,63.948 h1.02 r270; Top Overlay "1" at 93.103,75.961 h1.02 r270; Top Overlay "PH x5 COMB" at 102.152,65.616 h1.02 r90; Top Overlay "5" at 98.331,65.148 h1.02 r270; Top Overlay "1" at 98.388,75.697 h1.02 r270
J3: Top Overlay "1" at 98.509,104.172 h1.02 r270; Top Overlay "2" at 98.477,99.423 h1.02 r270; Top Overlay "PH x4 COMB" at 102.298,98.984 h0.5 r90; Top Overlay "1" at 93.702,105.973 h1.02 r270; Top Overlay "2" at 93.702,97.998 h1.02 r270
J4: Top Overlay "2" at 93.702,108.398 h1.02 r270; Top Overlay "1" at 93.702,116.373 h1.02 r270; Top Overlay "PH x4 COMB" at 102.298,109.384 h0.5 r90; Top Overlay "2" at 98.477,109.823 h1.02 r270; Top Overlay "1" at 98.509,114.572 h1.02 r270
J5: Top Overlay "1" at 98.193,136.835 h1.02 r270; Top Overlay "8" at 97.968,120.835 h1.02 r270; Top Overlay "PH x8 SMD" at 101.841,123.16 h1.02 r90
J6: Top Overlay "1" at 97.896,153.359 h1.02 r270; Top Overlay "5" at 97.839,142.81 h1.02 r270; Top Overlay "PH x5 COMB" at 101.659,143.278 h1.02 r90; Top Overlay "1" at 92.61,153.623 h1.02 r270; Top Overlay "5" at 92.614,141.61 h1.02 r270
J8: Top Overlay "1" at 34.154,147.696 h1.52 r270; Top Overlay "7" at 30.654,147.896 h1.52 r270; Top Overlay "6" at 34.254,125.896 h1.52 r270; Top Overlay "12" at 30.654,126.496 h1.52 r270
J9: Top Overlay "12" at 30.554,55.096 h1.52 r270; Top Overlay "6" at 34.154,54.496 h1.52 r270; Top Overlay "7" at 30.554,76.496 h1.52 r270; Top Overlay "1" at 34.054,76.296 h1.52 r270
J10: Top Overlay "4" at 32.974,103.992 h1.02 r90; Top Overlay "1" at 32.773,94.627 h1.02 r90; Top Overlay "PH x4 COMB" at 23.893,103.507 h0.75 r270; Top Overlay "4" at 27.805,103.82 h1.02 r90; Top Overlay "1" at 27.678,95.311 h1.02 r90
U1: Top Overlay "STM32F" at 54.054,83.546 h1.52 r270; Top Overlay "105RC" at 51.954,83.546 h1.52 r270; Top Overlay "LQFP64" at 48.954,83.546 h1.52 r270